# Altium PCB RX_test_01.PcbDoc (part 1 of 3)
Units mm, origin at the board's own origin, x right, y up, seen from the top; angles counter-clockwise.
Board outline 200 x 100 mm, 4 copper layers (Top Copper, Signal Layer 1, Signal Layer 2, Bottom Copper), stack 1.57 mm thick; 283 components, 176 nets, 839 pads, 935 vias.
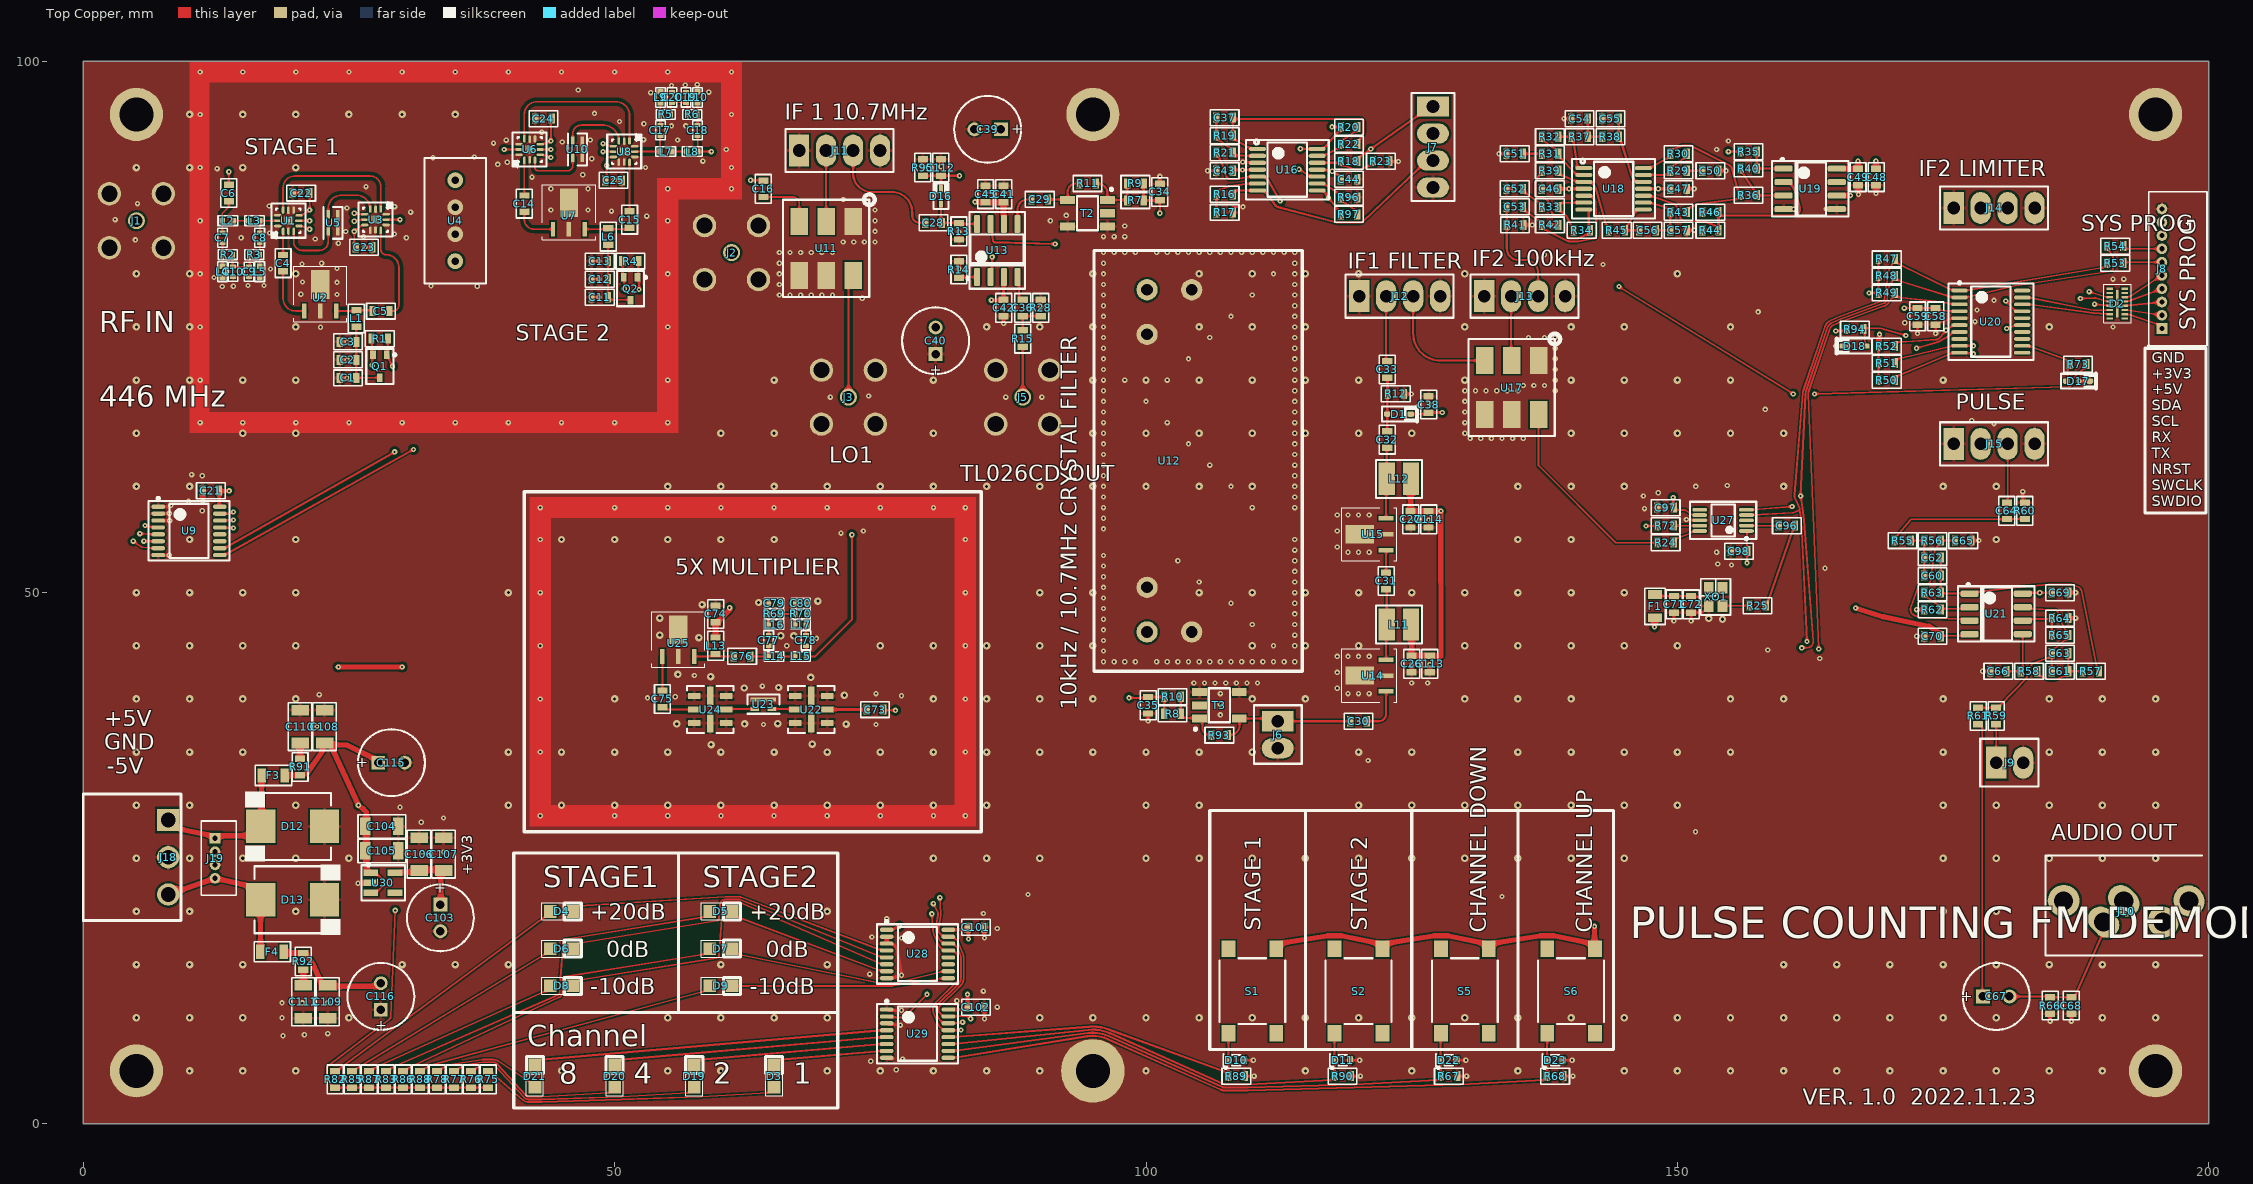
[diagram p0: Top Copper view]
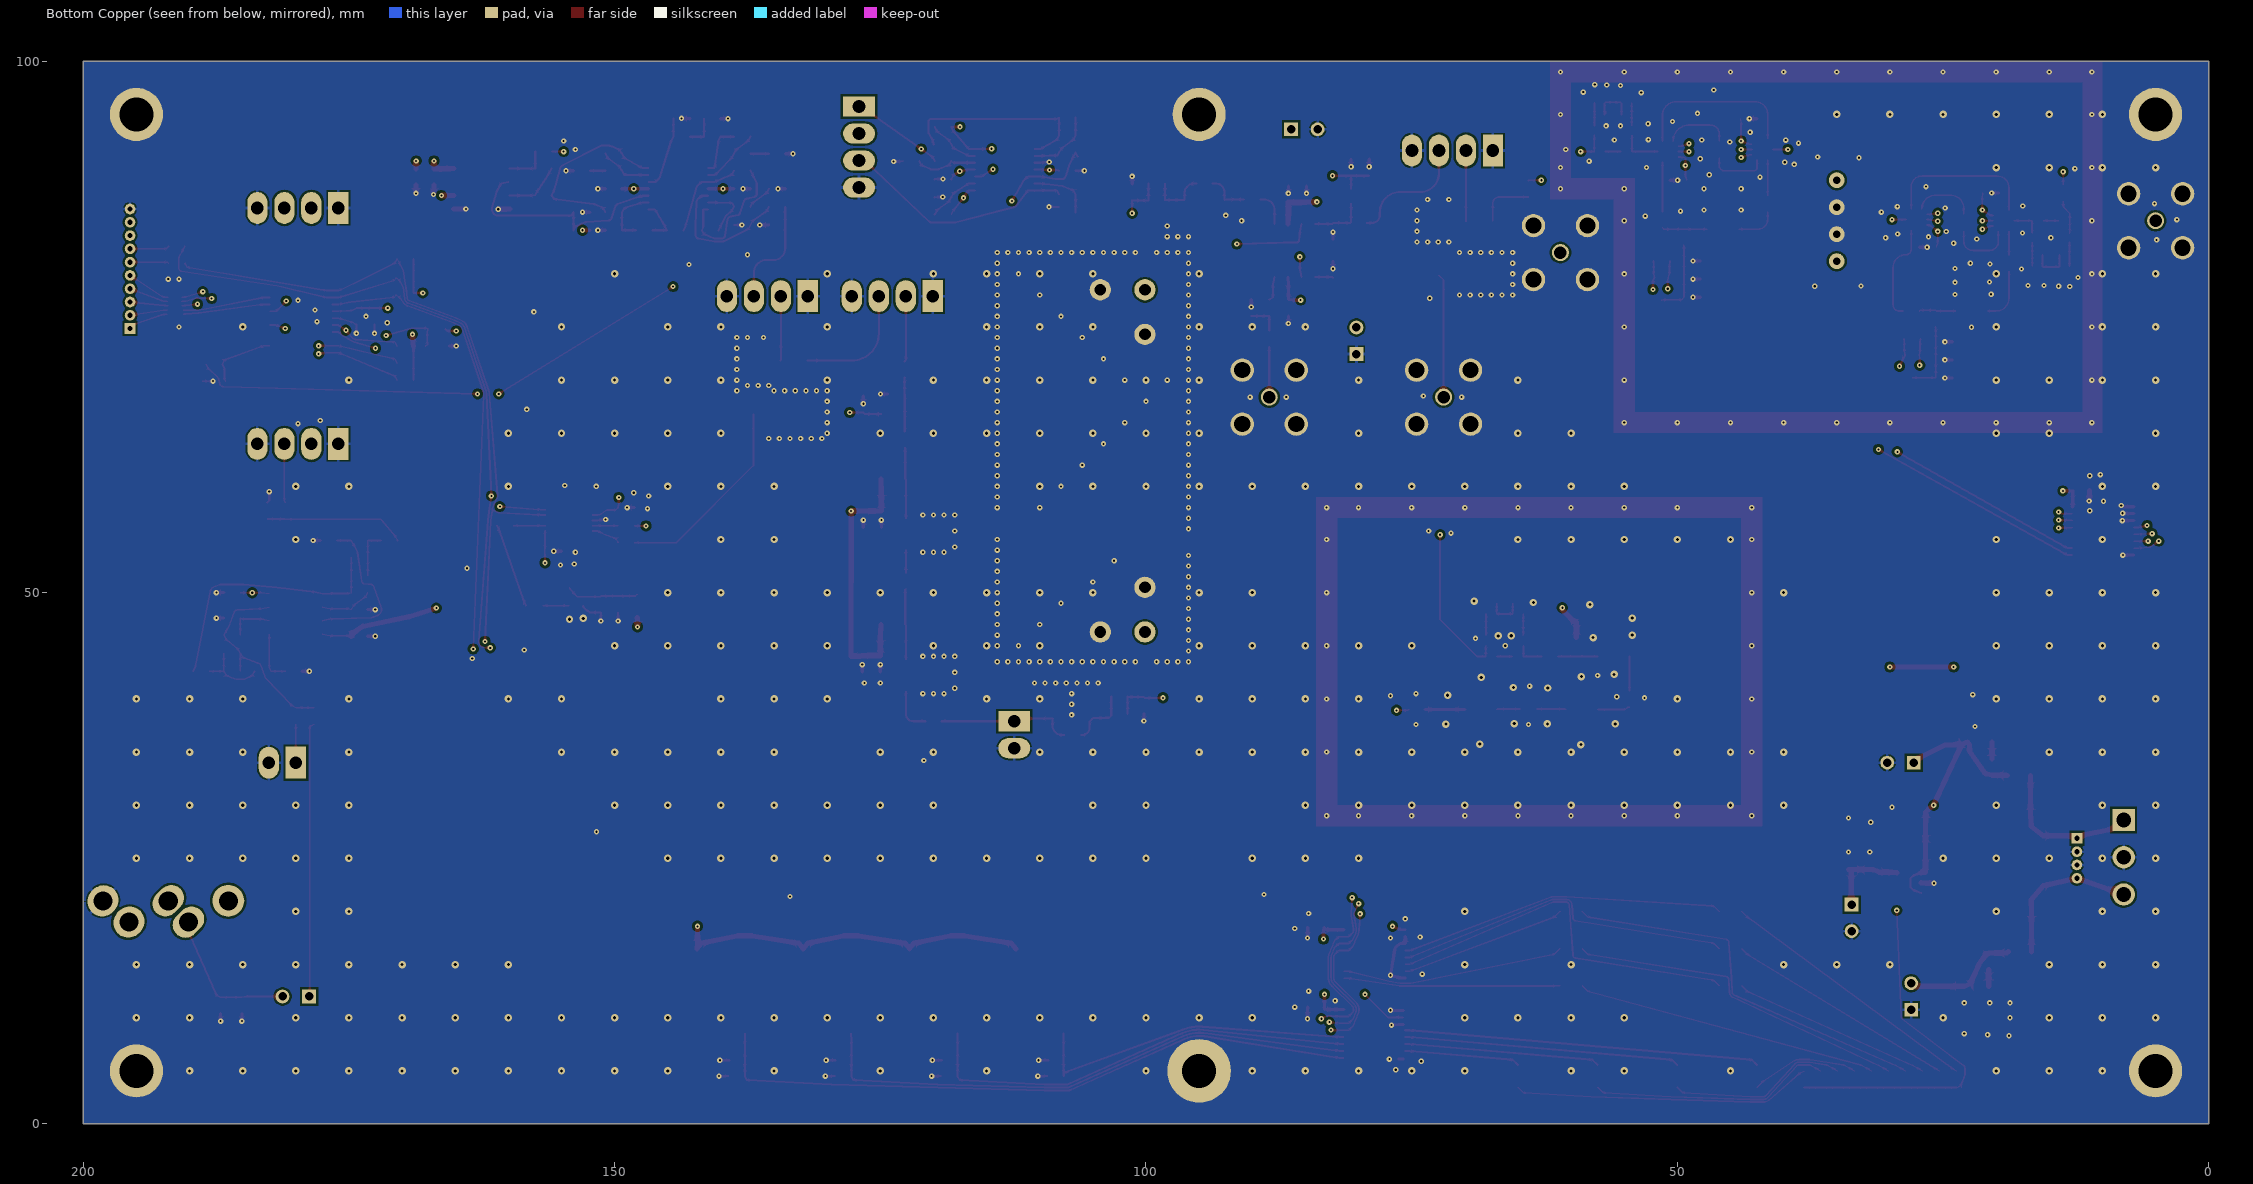
[diagram p1: Bottom Copper view, seen from below]
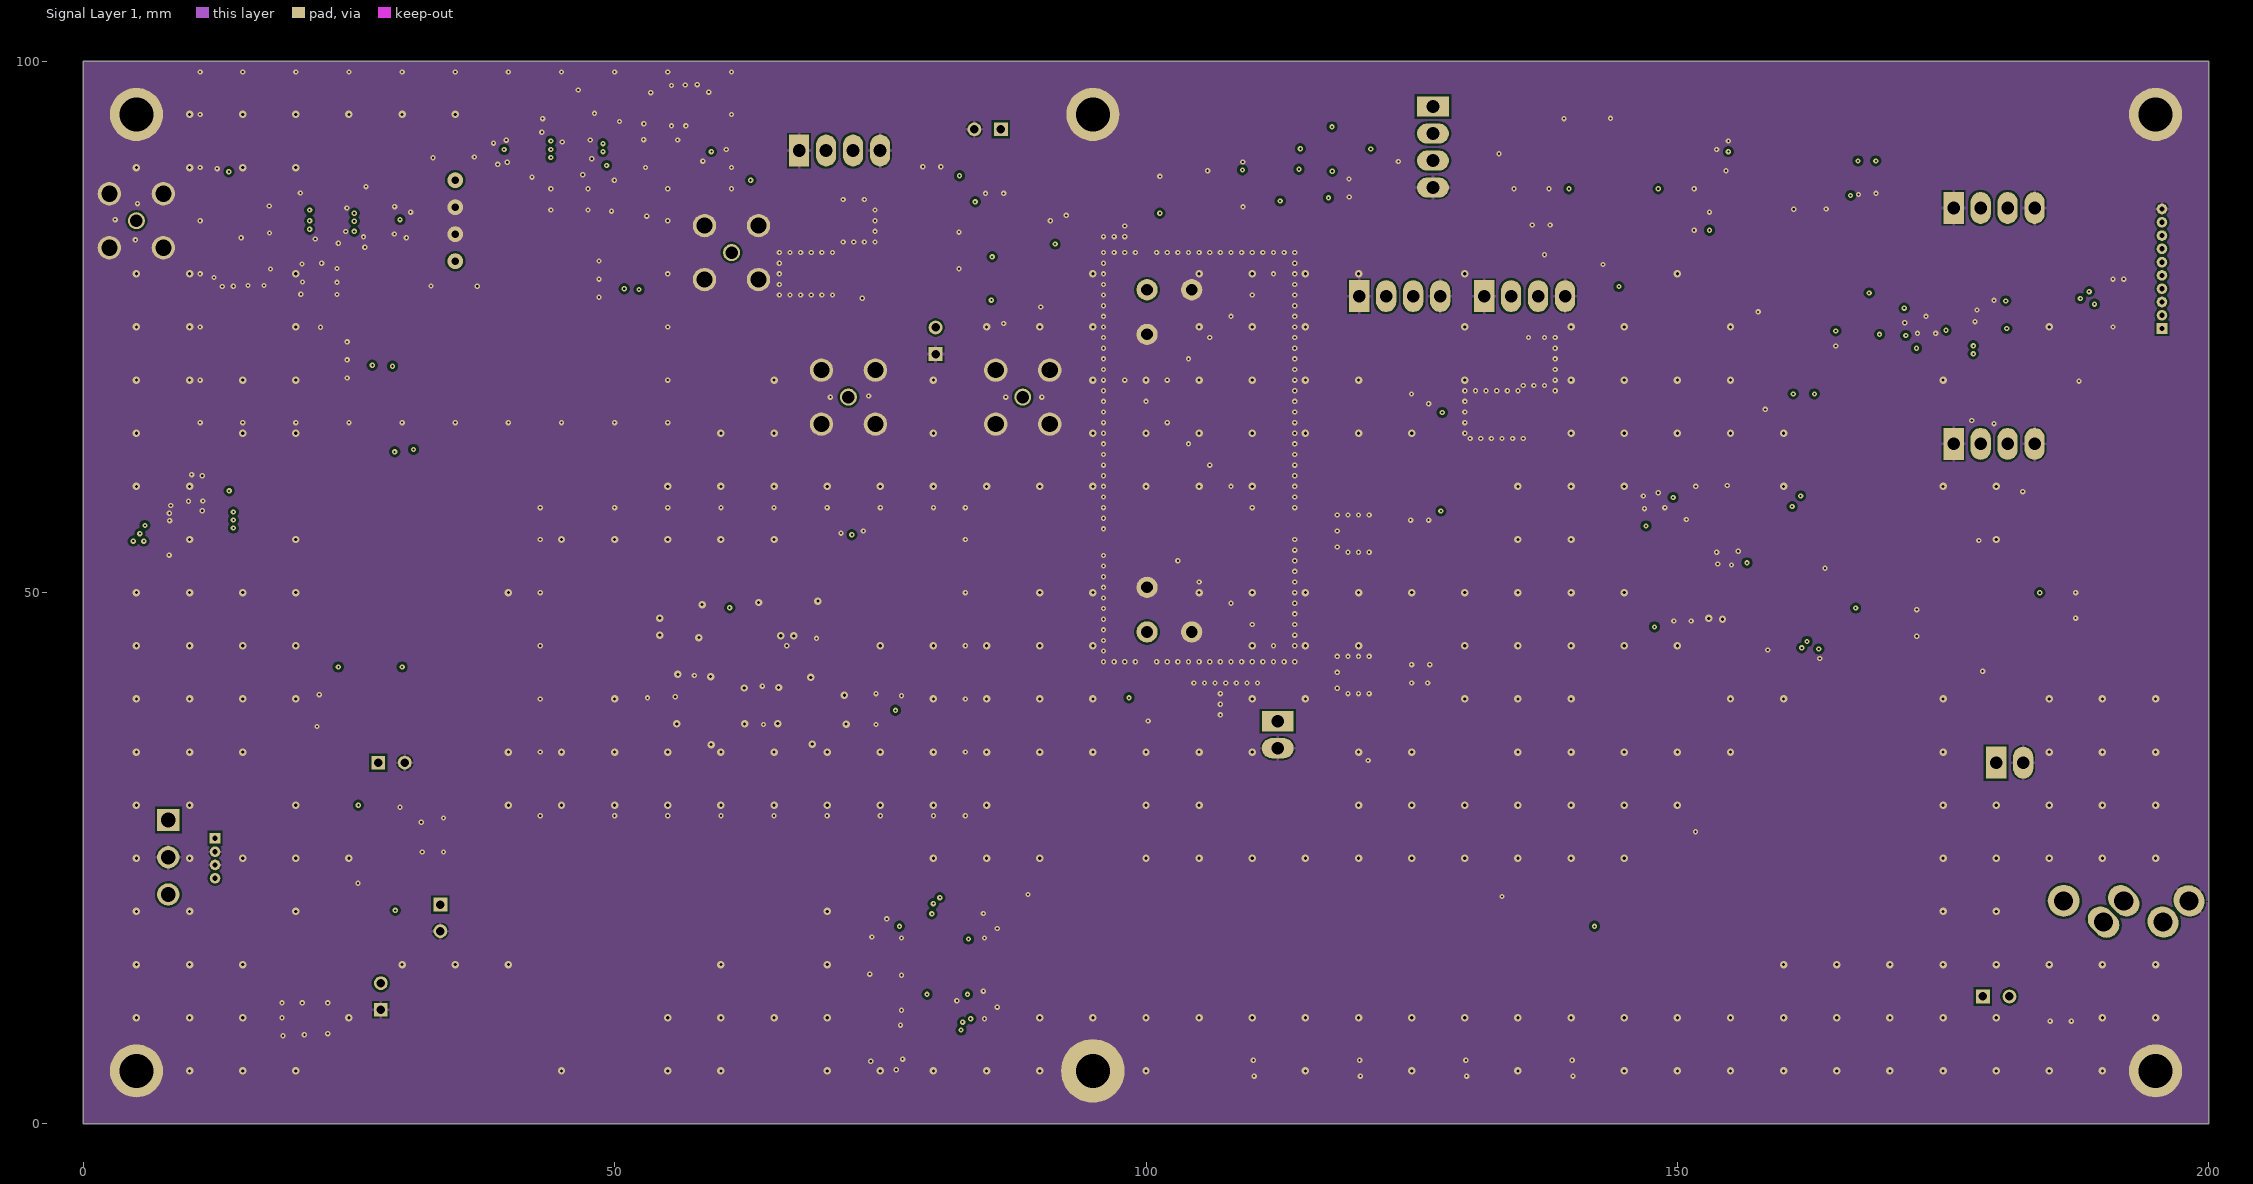
[diagram p2: Signal Layer 1]
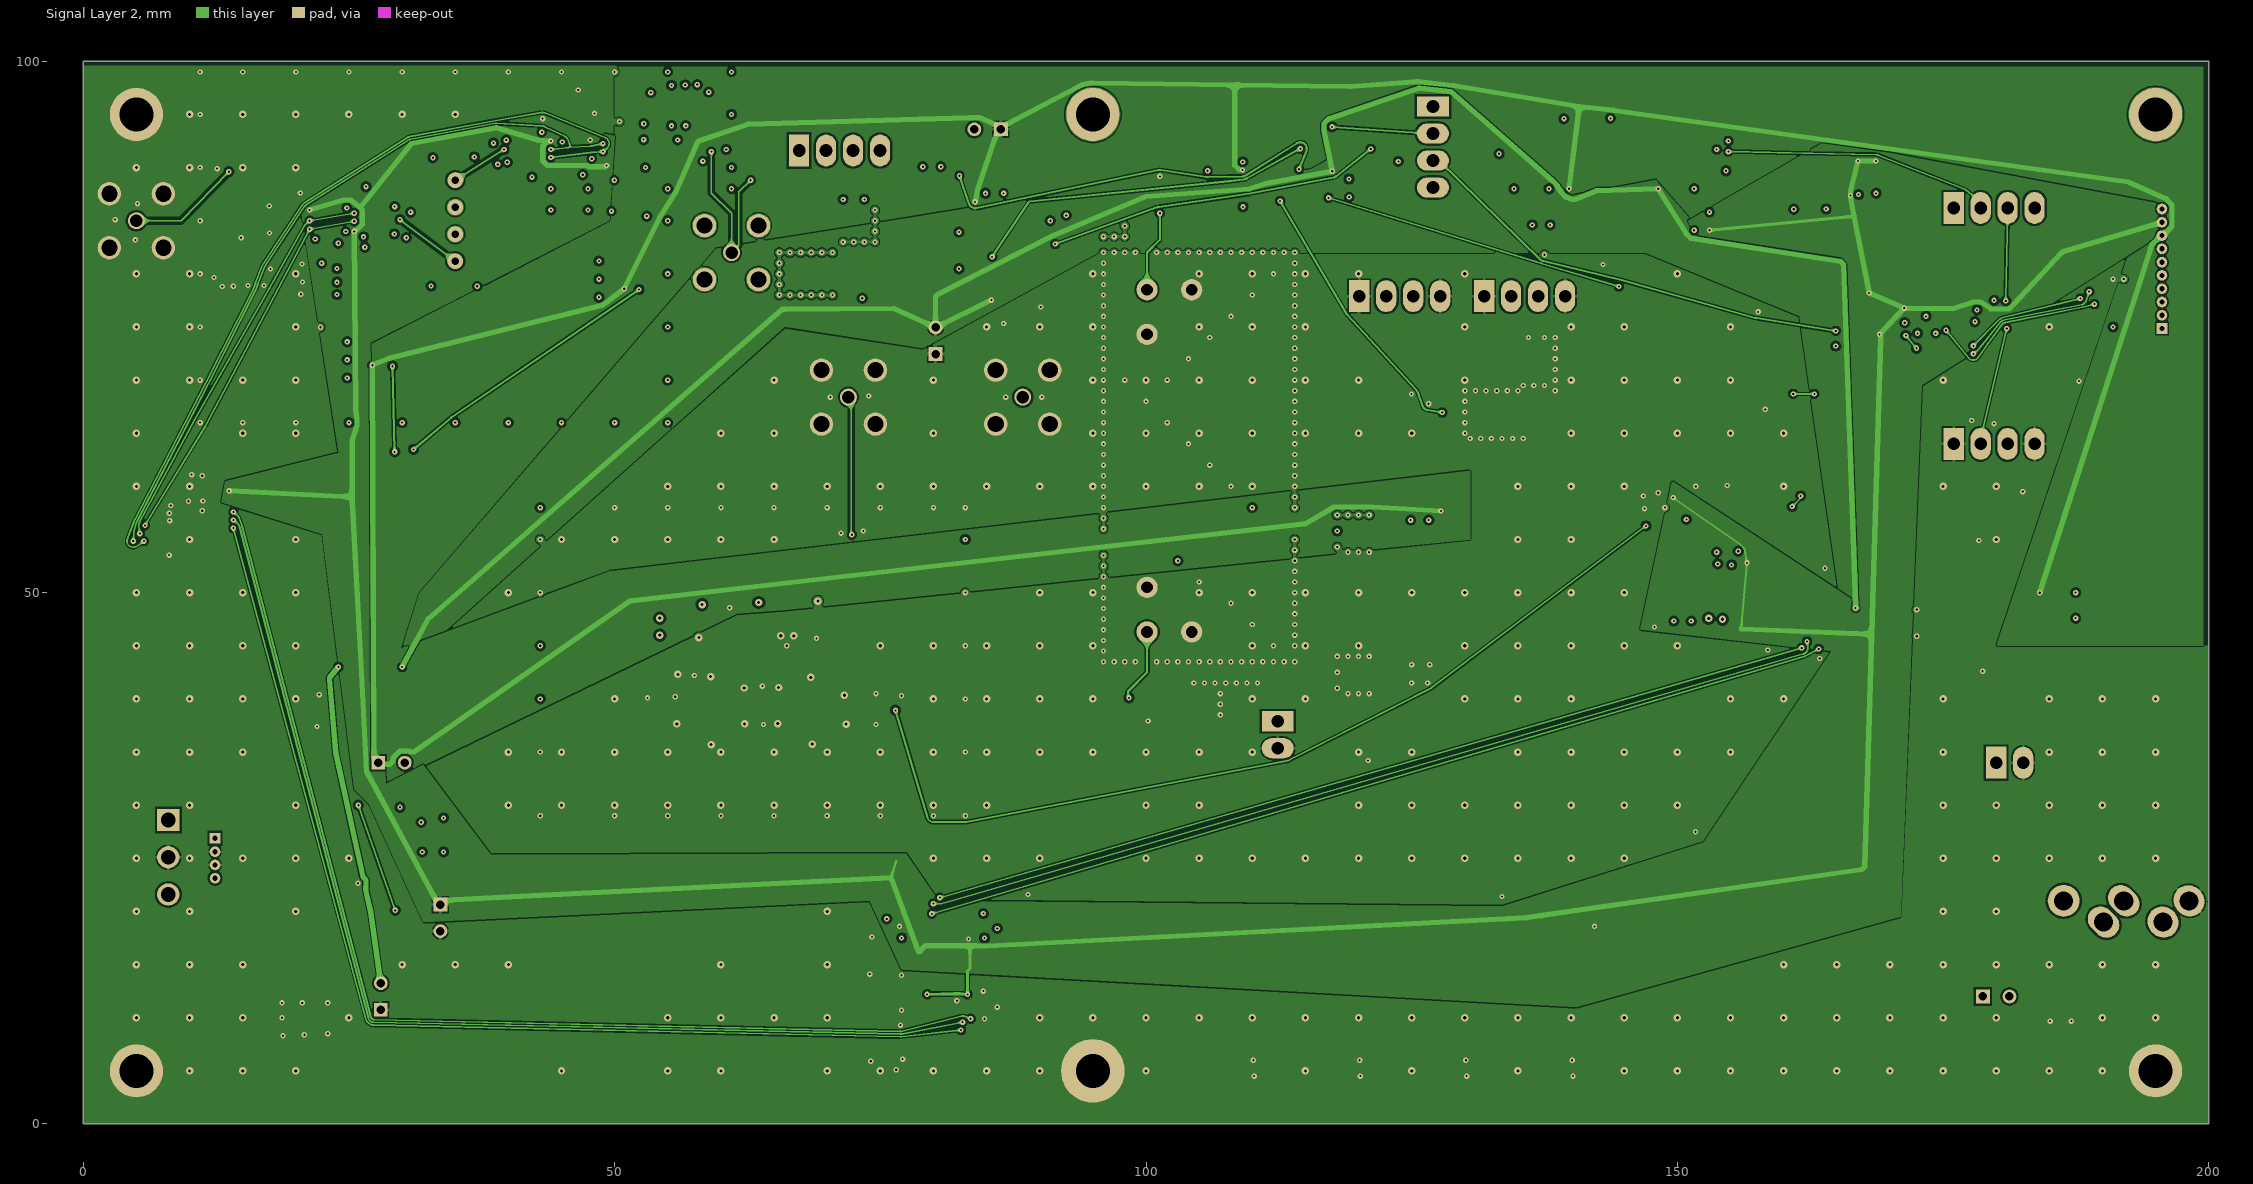
[diagram p3: Signal Layer 2]
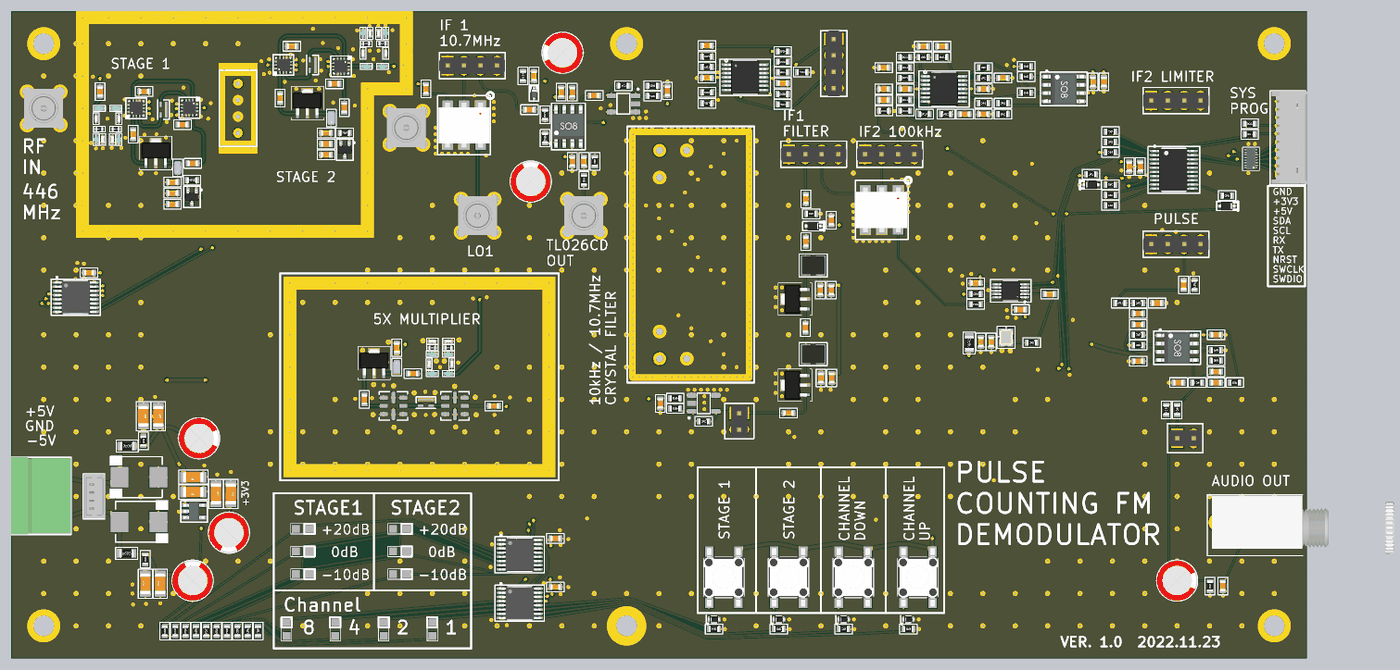
[diagram p6: 3D render of the assembled board from above, using the file's embedded part models]

## Layer stack, top to bottom
Top Mask: solder mask 0.015, Solder Resist, Dk 3.8
Top Copper: signal copper 0.035
Dielectric 1: prepreg 0.1, 2313, Dk 4.05
Signal Layer 1: signal copper 0.0175
Core: core 1.265, FR-4, Dk 4.5
Signal Layer 2: signal copper 0.0175
Dielectric 2: prepreg 0.1, 2313, Dk 4.05
Bottom Copper: signal copper 0.035
Bottom Mask: solder mask 0.015, Solder Resist, Dk 3.8

## Board outline
0,0 200,0 200,100 0,100

## Design rules (kind name [scope] priority, off if disabled: settings)
Clearance "50 ohm clearance" [InNetClass('50 ohm')] p1: gap=0.2 ignorepadtopadclearanceinfootprint=FALSE except(0: Arc-Hole Track-Hole SMDPad-Hole THPad-Hole Via-Hole Fill-Hole Poly-Hole Region-Hole Text-Hole; 0.089: Arc-Arc Arc-Track Track-Track; 0.127: SMDPad-SMDPad SMDPad-Fill SMDPad-Poly SMDPad-Region Fill-Fill Fill-Poly Fill-Region Poly-Poly Poly-Region Region-Region; 0.152: Arc-Text Track-Text SMDPad-Text THPad-Text Via-Text Fill-Text Poly-Text Region-Text Text-Text; 0.254: Arc-Via Track-Via Via-Via Via-Fill Via-Poly Via-Region; 0.3: Arc-Fill Arc-Poly Arc-Region Track-Fill Track-Poly Track-Region; 0.5: THPad-Via)
Clearance [All] p2: gap=0.127 ignorepadtopadclearanceinfootprint=FALSE except(0: Arc-Hole Track-Hole SMDPad-Hole THPad-Hole Via-Hole Fill-Hole Poly-Hole Region-Hole Text-Hole; 0.089: Arc-Arc Arc-Track Track-Track; 0.152: Arc-Text Track-Text SMDPad-Text THPad-Text Via-Text Fill-Text Poly-Text Region-Text Text-Text; 0.2: Arc-SMDPad Arc-THPad Track-SMDPad Track-THPad SMDPad-THPad SMDPad-Via THPad-THPad THPad-Fill THPad-Poly THPad-Region; 0.254: Arc-Via Track-Via Via-Via Via-Fill Via-Poly Via-Region; 0.5: THPad-Via)
ComponentClearance [All] p1: gap=0.15 collisioncheckmode=3 verticalgap=0.254 showdistances=FALSE
DiffPairsRouting [All] p1: maxlimit=0.254 minlimit=0.15 mostfreqgap=0.2 toplayer_minwidth=0.2 toplayer_maxwidth=0.381 toplayer_prefwidth=0.2 midlayer1_minwidth=0.2 midlayer1_maxwidth=0.381 midlayer1_prefwidth=0.2 midlayer2_minwidth=0.2 midlayer2_maxwidth=0.381 midlayer2_prefwidth=0.2 bottomlayer_minwidth=0.2 bottomlayer_maxwidth=0.381 bottomlayer_prefwidth=0.2 maxuncoupledlength=12.7
HoleSize [All] p1: absolutevalues=TRUE maxlimit=6.3 minlimit=0.2 maxpercent=80.000 minpercent=20.000
HoleToHoleClearance [All] p1: gap=0.5 allowstackedmicrovias=TRUE
MinimumAnnularRing [All] p1: minimumring=0.13
MinimumSolderMaskSliver [All] p1: minsoldermaskwidth=0.2
PlaneConnect [All] p1: planeconnectstyle=Direct reliefexpansion=0.508 reliefentries=4 reliefconductorwidth=0.254 reliefairgap=0.254
PolygonConnect "Free pads to GND" [(ObjectKind = 'Pad') And (Component = 'Free') vs InNet('GND')] p1: connectstyle=Direct reliefconductorwidth=0.254 reliefentries=4 polygonreliefangle="90 Angle" airgapwidth=0.254
PolygonConnect "Footprint connection" [All vs HasFootprint('QFN50P200X200X100_HS-13N') or HasFootprint('AFS446.0W02-TD01') or HasFootprint('SOT89') or HasFootprint('PAT1220') or HasFootprint('ADT1-6T') or HasFootprint('73366-0061') or HasFootprint('VQFN50P600X600X100_HS-41N') or HasFootprint('F-10M7-K6')] p2: connectstyle=Direct reliefconductorwidth=0.254 reliefentries=4 polygonreliefangle="90 Angle" airgapwidth=0.254
PolygonConnect "Via connection" [All vs IsVia or IsShieldingVia or IsStitchingVia] p3: connectstyle=Direct reliefconductorwidth=0.254 reliefentries=4 polygonreliefangle="90 Angle" airgapwidth=0.254
PolygonConnect [All] p4: connectstyle=Relief reliefconductorwidth=0.3 reliefentries=4 polygonreliefangle="90 Angle" airgapwidth=0.15
RoutingCorners [All] p1: cornerstyle=45-Degree minsetback=1 maxsetback=2.54
RoutingVias [All] p1: holewidth=0.3 width=0.6 viastyle="Through Hole" minholewidth=0.2 minwidth=0.4 maxholewidth=6 maxwidth=7
SilkToSilkClearance [All] p1: silktosilkclearance=0
SilkToSolderMaskClearance [IsPad] p1: minsilkscreentomaskgap=0.15 clearancetoexposedcopper=TRUE
SolderMaskExpansion SolderMaskExpansion_1 [IsVia] p1: expansion=-0.1 istentingtop=FALSE
SolderMaskExpansion [All] p2: expansion=0.05 istentingtop=FALSE
UnRoutedNet [All] p1: checkbadconnections=TRUE
Width "50 ohm vedeni" [InNetClass('50 ohm')] p1: maxlimit=0.165 minlimit=0.134 preferedwidth=0.165 toplayer_minwidth=0.165 midlayer1_maxwidth=0.134 midlayer1_prefwidth=0.134 midlayer2_maxwidth=0.134 midlayer2_prefwidth=0.134 bottomlayer_minwidth=0.165 impedanceprofiledriven=TRUE impedanceprofileid={FED88248-EA4C-46C3-807C-E5B24151EF95} impedanceprofilevalue=50.000000 minimp=50.000000 maximp=50.000000 favimp=50.000000
Width [All] p2: maxlimit=3 minlimit=0.089 preferedwidth=0.2
20 further rules are at their usual default settings.

## Classes and differential pairs
component class SH12: C103 C104 C105 C106 C107 C108 C109 C110 C111 C115 C116 D12 D13 F3 F4 J18 J19 R91 R92 U30
component class SH11: C101 C102 D3 D4 D5 D6 D7 D8 D9 D10 D11 D19 D20 D21 D22 D23 R67 R68 R75 R76 R77 R78 R82 R83 R85 R86 R87 R88 R89 R90 S1 S2 S5 S6 U28 U29
component class SH10: C60 C61 C62 C63 C64 C65 C66 C67 C68 C69 C70 J9 J10 R55 R56 R57 R58 R59 R60 R61 R62 R63 R64 R65 R66 U21
component class SH09: C58 C59 D2 J8 R47 R48 R49 R50 R51 R52 R53 R54 U20
component class SH08: C71 C72 C96 C97 C98 F1 R24 R25 R72 U27 XO1
component class SH13: C73 C74 C75 C76 C77 C78 C79 C80 J3 L13 L14 L15 L16 L17 R69 R70 U22 U23 U24 U25
component class SH05: C46 C47 C48 C49 C50 C51 C52 C53 C54 C55 C56 C57 R29 R30 R31 R32 R33 R34 R35 R36 R37 R38 R39 R40 R41 R42 R43 R44 R45 R46 U18 U19
component class SH04: U17
component class SH03: C26 C27 C28 C29 C30 C31 C32 C33 C34 C35 C36 C37 C38 C39 C40 C41 C42 C43 C44 C45 C112 C113 C114 D1 D16 D17 D18 J5 J6 J7 L11 L12 R7 R8 R9 R10 R11 R12 R13 R14 R15 R16 R17 R18 R19 R20 R21 R22 R23 R28 R73 R93 R94 R95 R96 R97 T2 T3 U12 U13 U14 U15 U16
component class SH01: C1 C2 C3 C4 C5 C6 C7 C8 C9 C10 C11 C12 C13 C14 C15 C16 C17 C18 C19 C20 C21 C22 C23 C24 C25 J1 J2 L1 L2 L3 L4 L5 L6 L7 L8 L9 L10 Q1 Q2 R1 R2 R3 R4 R5 R6 U1 U2 U3 U4 U5 U6 U7 U8 U9 U10
net class "50 ohm": "ATT 10dB 1" "ATT 10dB 2" NetC6_1 NetC16_1 NetC75_1 NetC75_2 NetC76_1 NetC78_2 NetL14_2 NetU3_3 NetU8_3 NetU22_6 NetU23_2 "PASS 1" "PASS 2" "SIGNAL 1" "SIGNAL 2" "SIGNAL 3" "SIGNAL 4" "SIGNAL 5" "SIGNAL 6" "SIGNAL 7" "SIGNAL 8" "SIGNAL 9" "SIGNAL 10" "SIGNAL 11" "SIGNAL 12" "SIGNAL 13" "SIGNAL 14" "SIGNAL 15"
component class TOP: J11 J12 J13 J14 J15
component class SH02: U11
